# Allegro board RK_NVR_DEMO_RK3568_DDR4P216SD4_V12_20201221YWQ_final.brd (continued)
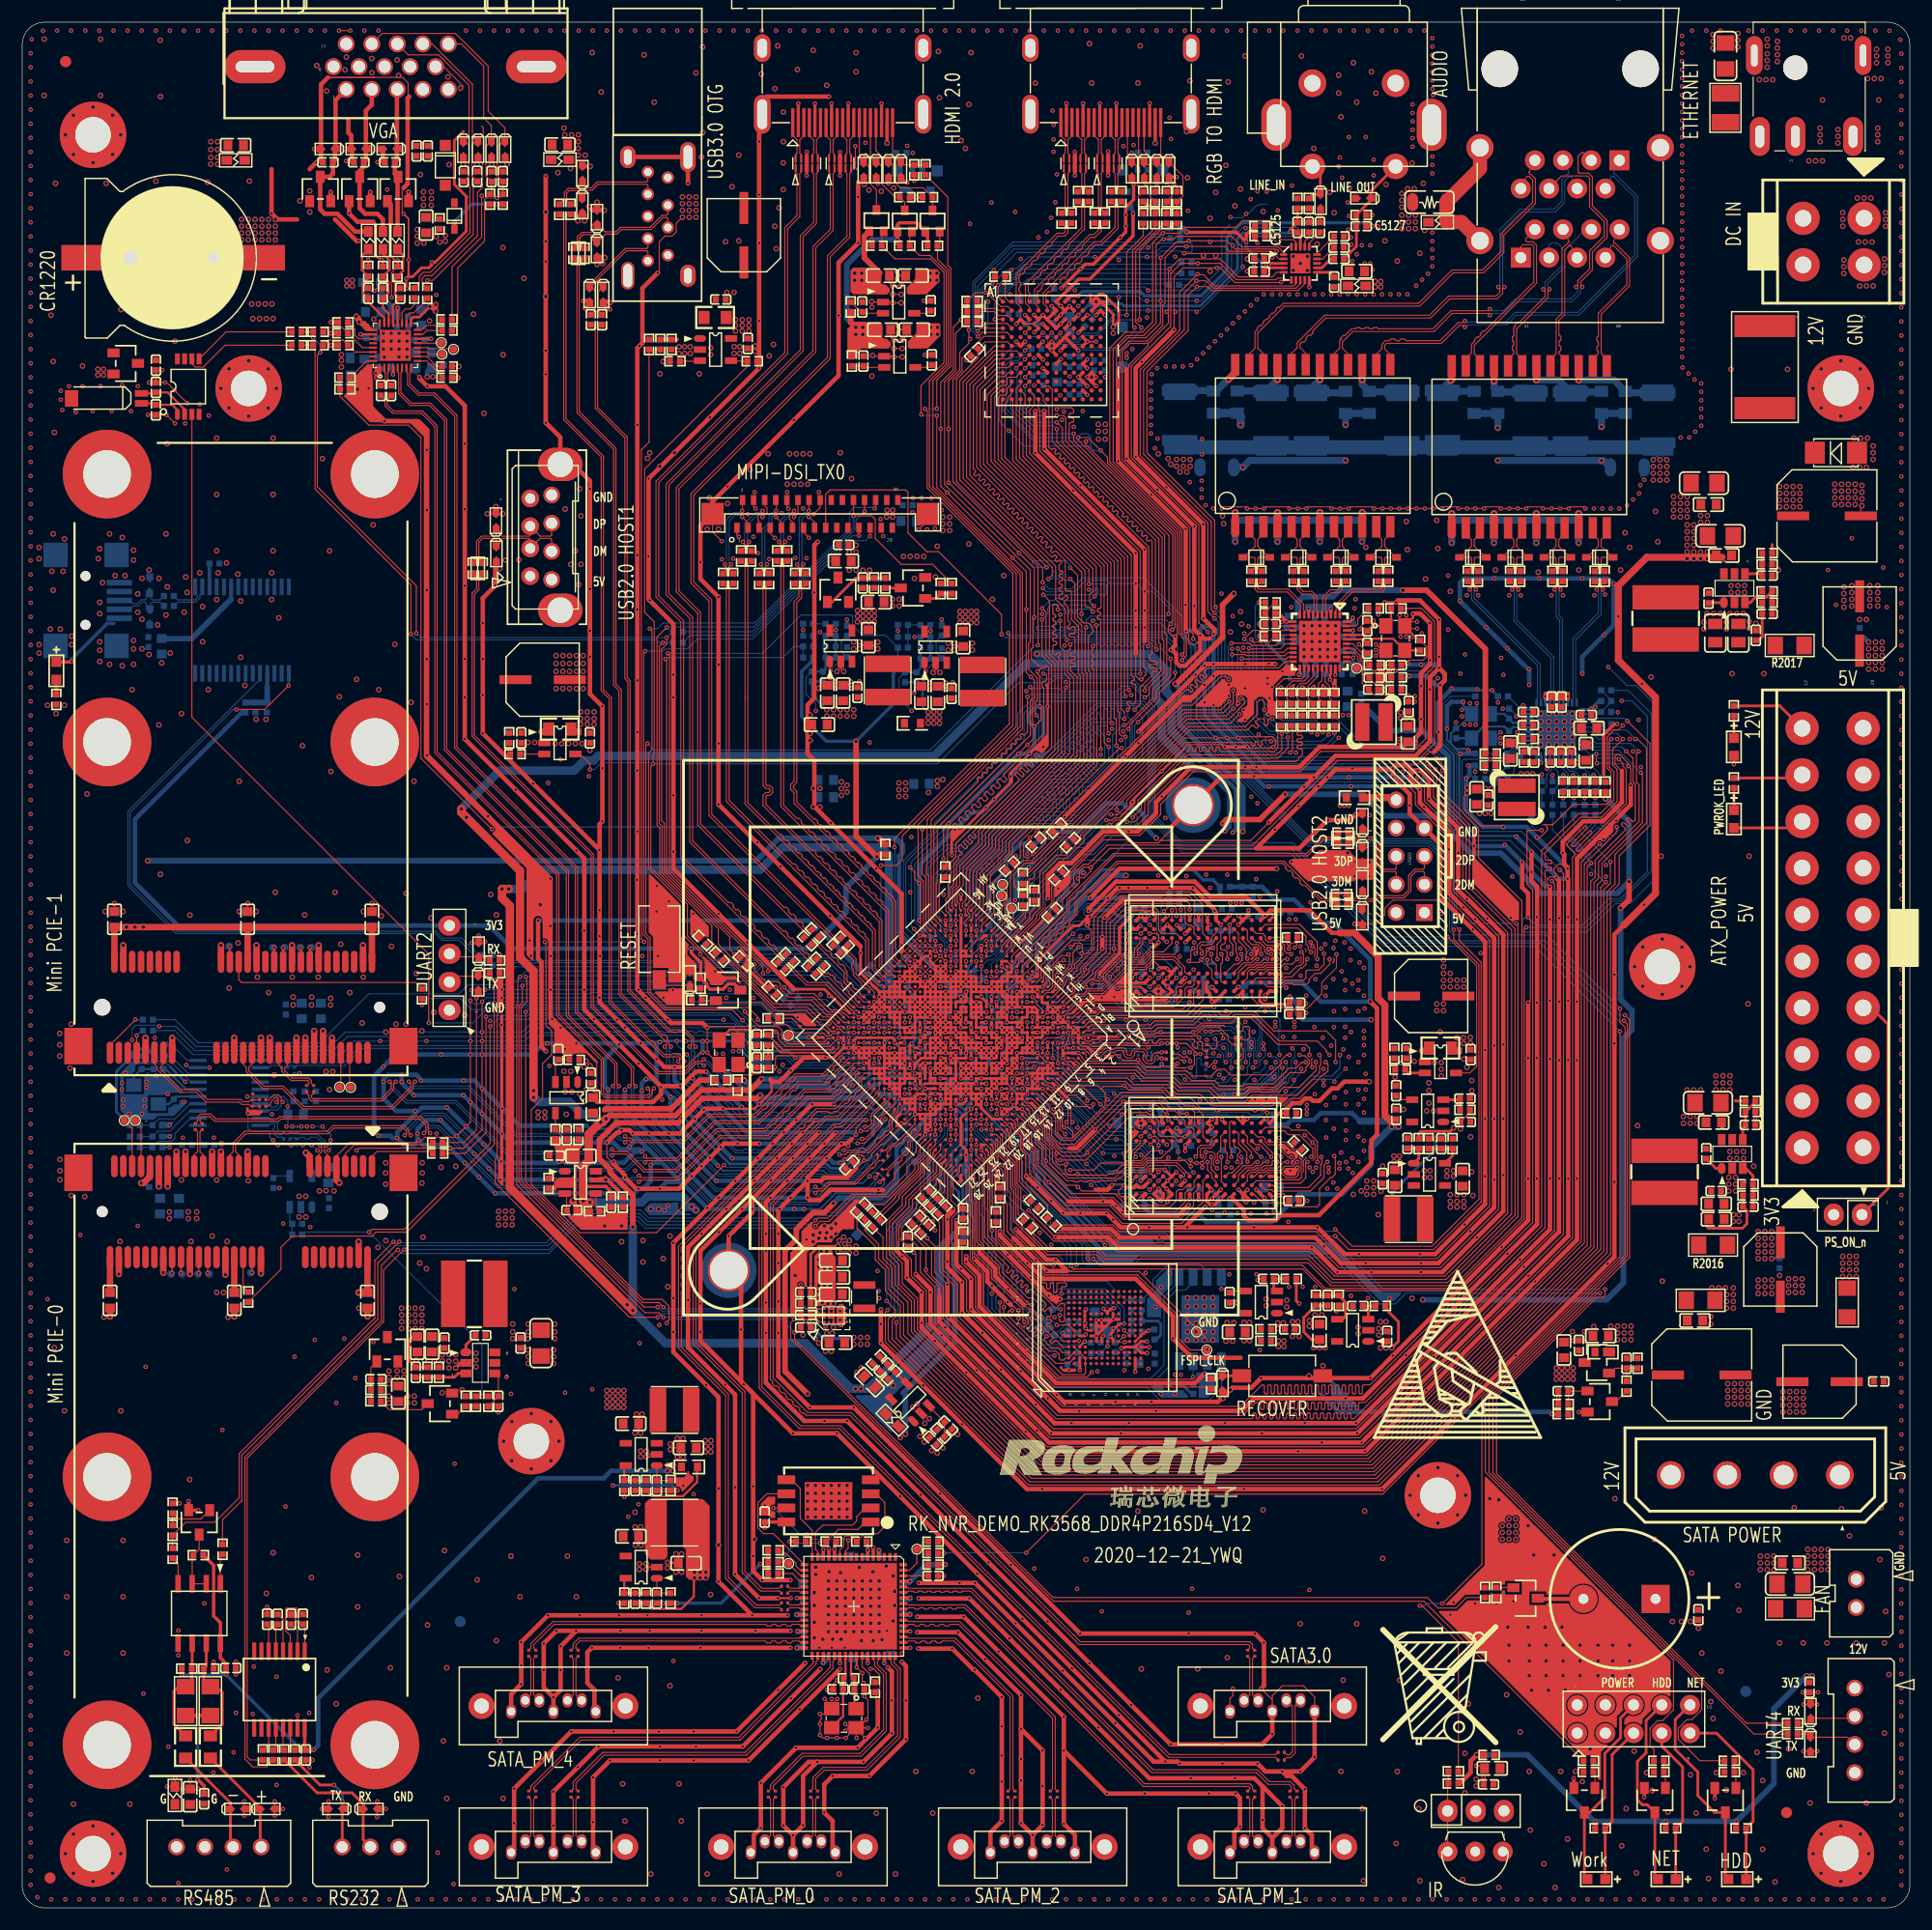
[diagram p0: board, top side]
## Routing (per net, layer and track width the routed paths; a pad name or vN(x,y) marks a point on that pad's centre or on a via; arc(x,y) is an arc through that point) (continued)
HDMI_TX0N_PORT: length 84.4
  TOP w0.097: R1707.2 70.62,88.2 70.35,88.48 70.35,88.71 70.14,88.91 69.91,88.91 69.71,89.12 69.71,89.35 69.5,89.55 69.27,89.55 69.07,89.76 69.07,89.99 68.86,90.19 68.63,90.19 61.11,97.71 61.11,116.79 59.18,118.72 59.18,127.92 71.5,140.24 71.5,149.64 73.06,151.21 73.06,156.33 73.19,156.45 U5001.2 U5001.9 73.19,158.05 73.06,158.17 73.06,159.37 73.43,159.73 J5000.9
HDMI_TX0P: length 7.9
  TOP w0.097: U1000.AG20 75.83,81.65 74.07,83.41 74.07,84.33 71.54,86.85 R1709.1
HDMI_TX0P_PORT: length 84.2
  TOP w0.097: R1709.2 70.45,88.03 60.86,97.61 60.86,116.68 58.93,118.62 58.93,128.02 71.25,140.34 71.25,149.75 72.81,151.31 72.81,156.33 72.69,156.45 U5001.1 U5001.10 72.69,158.05 72.81,158.17 72.81,159.36 72.43,159.75 J5000.7
HDMI_TX1N: length 5.3
  TOP w0.097: U1000.AH21 75.26,81.65 75.11,81.81 75.11,82.02 74.9,82.22 74.69,82.22 74.48,82.43 74.48,82.64 74.28,82.85 74.07,82.85 73.86,83.05 73.86,83.26 73.66,83.47 73.44,83.47 73.24,83.67 73.24,83.89 73.03,84.09 72.82,84.09 72.69,84.23 72.39,84.23 72.2,84.42 R1706.1
HDMI_TX1N_PORT: length 87.5
  TOP w0.097: J5000.6 71.93,159.73 71.56,159.37 71.56,158.39 71.56,158.39 71.56,158.17 71.69,158.05 U5000.6 U5000.5 71.69,156.45 71.56,156.33 71.56,151.83 70.36,150.62 70.36,140.33 58.27,128.24 58.27,118.47 60.4,116.33 60.4,96.19 68.55,88.04 68.78,88.04 68.98,87.84 68.98,87.61 69.19,87.4 69.42,87.4 69.62,87.2 69.62,86.97 69.83,86.76 70.06,86.76 70.26,86.56 70.26,86.33 70.47,86.12 70.7,86.12 70.9,85.92 70.9,85.69 71.03,85.56 R1706.2
HDMI_TX1P: length 5.6
  TOP w0.097: U1000.AG21 75.37,81.19 72.58,83.98 72.29,83.98 72.05,84.21 R1705.1
HDMI_TX1P_PORT: length 87.2
  TOP w0.097: J5000.4 70.93,159.75 71.31,159.36 71.31,158.5 71.31,158.17 71.19,158.05 U5000.7 U5000.4 71.19,156.45 71.31,156.33 71.31,151.93 70.11,150.73 70.11,140.43 58.02,128.34 58.02,118.36 60.15,116.23 60.15,96.08 70.85,85.38 R1705.2
HDMI_TX2N: length 7.5
  TOP w0.097: U1000.AH22 74.8,81.19 72.58,83.41 70.76,83.41 69.46,84.72 R1704.1
HDMI_TX2N_PORT: length 86.5
  TOP w0.097: J5000.3 70.43,159.73 70.06,159.37 70.06,158.17 70.19,158.05 U5000.9 U5000.2 70.19,156.45 70.06,156.33 70.06,152.45 68.96,151.35 68.96,140.09 57.35,128.48 57.35,118.26 59.59,116.03 59.59,94.66 63.64,90.61 63.87,90.61 64.07,90.41 64.07,90.18 64.28,89.97 64.51,89.97 64.71,89.77 64.71,89.54 64.92,89.33 65.15,89.33 65.35,89.13 65.35,88.9 65.56,88.69 65.79,88.69 65.99,88.49 65.99,88.26 66.2,88.05 66.43,88.05 66.63,87.85 66.63,87.62 66.84,87.41 67.07,87.41 67.27,87.21 67.27,86.98 67.48,86.77 67.71,86.77 67.91,86.57 67.91,86.34 68.29,85.97 R1704.2
HDMI_TX2P: length 8.3
  TOP w0.097: R1708.1 69.21,84.62 70.66,83.16 72.48,83.16 74.77,80.87 75.25,80.87 U1000.AG22
HDMI_TX2P_PORT: length 85.7
  TOP w0.097: J5000.1 69.43,159.75 69.81,159.36 69.81,158.17 69.69,158.05 U5000.10 U5000.1 69.69,156.45 69.81,156.33 69.81,152.55 68.71,151.45 68.71,140.2 57.1,128.59 57.1,118.16 59.34,115.92 59.34,94.56 68.11,85.79 R1708.2
HDMI_TX_CEC_PORT: length 8.6
  TOP w0.102: J5000.13 75.43,157.66 ED5003.1 75.96,157.28 76.34,156.9 76.34,155.5 76.97,154.86 Q5002.3
HDMI_TX_HPD_PORT: length 6.2
  TOP w0.102: R5005.2 R5008.1 79.32,157.12 ED5000.1 78.43,158.01 J5000.19
HDMI_TX_HPDIN: length 89.9
  TOP w0.102: v1(77.39,93.96) 78.78,93.96 79.3,94.49 79.3,96.62 89.26,106.58 89.26,120.29 81.53,128.02 81.53,134.92 v1(81.33,135.13) ; R5005.1 83.4,154.21 83.4,148.07 83.67,147.8 83.67,138.99 82.41,137.73 v1(82.41,135.13) ; U1000.AB18 v1(79.53,79.81)
  BOTTOM w0.089: 77.39,84.73 77.39,84.6 C1716.1 77.48,83.93 77.48,83.29 78.74,82.03 78.74,80.07 78.99,79.81 v1(79.53,79.81)
  BOTTOM w0.102: v1(77.39,93.96) 77.39,93.96 77.39,84.73 ; v1(82.41,135.13) v1(81.33,135.13)
HDMI_TX_REXT: length 1.4
  TOP w0.089: U1000.AA18 v1(79.99,80.27)
  BOTTOM w0.102: v1(79.99,80.27) 79.2,80.27 R1713.1
HDMI_TXCLKN: length 5.7
  TOP w0.097: R1711.1 74.38,86.3 75.13,85.55 75.13,84.17 76.77,82.54 U1000.AG19
HDMI_TXCLKN_PORT: length 85.3
  TOP w0.097: J5000.12 74.93,159.73 74.56,159.37 74.56,158.17 74.69,158.05 U5001.6 U5001.5 74.69,156.45 74.56,156.33 74.56,150.59 72.8,148.82 72.8,139.66 60.5,127.36 60.5,119.53 62.13,117.9 62.13,98.58 73.26,87.44 R1711.2
HDMI_TXCLKP: length 5.2
  TOP w0.097: R1710.1 74.08,86.14 74.19,86.14 74.88,85.44 74.88,85.22 74.73,85.06 74.73,84.78 74.88,84.62 74.88,84.07 75.61,83.34 75.61,83.14 75.81,82.94 76.02,82.94 76.31,82.64 U1000.AH19
HDMI_TXCLKP_PORT: length 85.5
  TOP w0.097: J5000.10 73.93,159.75 74.31,159.36 74.31,158.17 74.19,158.05 U5001.7 U5001.4 74.19,156.45 74.31,156.33 74.31,150.69 72.55,148.93 72.55,139.76 60.25,127.46 60.25,119.43 61.88,117.8 61.88,98.47 73.09,87.26 R1710.2
HDMI_TXDDC_SCL_PORT: length 9.6
  TOP w0.102: J5000.15 76.43,157.78 ED5002.1 77.18,157.28 77.48,156.97 77.48,155.37 78.65,154.2 R5001.2 79.52,153.75 Q5000.3
HDMI_TXDDC_SDA_PORT: length 11.4
  TOP w0.102: Q5001.3 R5003.2 81.18,155.04 79.13,155.04 78.62,155.55 78.62,156.95 78.29,157.28 ED5001.1 76.93,158.39 J5000.16
HDMITX_CEC_M0: length 75.8
  TOP w0.102: U1000.AH6 81.89,88.94 81.89,98.05 90.12,106.28 90.12,120.31 82.41,128.02 v1(82.41,134.52) ; Q5002.2 77.45,150.97 R5006.2 78.64,148.64 81.84,148.64 83.06,147.42 83.06,139.29 80.98,137.21 80.98,134.67 v1(81.03,134.62)
  BOTTOM w0.102: v1(82.41,134.52) 81.13,134.52 v1(81.03,134.62)
HDMITX_SCL: length 73.9
  TOP w0.102: Q5000.2 79.97,150.9 R5000.2 80.85,148.95 81.82,148.95 83.26,147.51 83.26,139.16 81.74,137.63 81.74,128.12 89.56,120.29 89.56,106.48 80.72,97.64 80.72,93.02 81.2,92.54 81.2,88.25 81.82,87.63 U1000.AG8
HDMITX_SDA: length 71.6
  TOP w0.102: U1000.AG7 82.28,88.09 81.65,88.72 81.65,93.05 81.53,93.17 81.53,98.1 89.92,106.48 89.92,120.22 82.05,128.09 82.05,137.66 83.46,139.07 83.46,147.62 82.47,148.62 R5002.2 82.67,150.03 Q5001.2
HPD_OUT_RTD: length 2.7
  TOP w0.102: U5900.32 31.04,139.44 R5906.2
I2C0_SCL_PMIC: length 81.8
  TOP w0.102: U1000.AF24 v1(74.47,79.35) ; v1(71.68,53.59) U2104.A3 ; v1(45.06,83.11) 45.06,81.58 44.75,81.28 44.75,65.43 56.03,54.15 v1(57.25,54.15)
  BOTTOM w0.102: v1(45.06,83.11) 45.21,83.26 66.42,83.26 68.33,81.35 R1207.2 72.48,81.35 v1(74.47,79.35) ; v1(71.68,53.59) 71.68,53.64 71.53,53.79 57.61,53.79 v1(57.25,54.15)
I2C0_SDA_PMIC: length 89
  TOP w0.102: U2104.B1 72.7,52.69 v1(72.38,52.38) ; U1000.AB21 v1(77.69,78.89) ; v1(45.36,83.92) 45.47,83.82 45.47,81.69 44.96,81.18 44.96,65.53 55.93,54.56 57.35,54.56 v1(57.76,54.15)
  BOTTOM w0.089: 73.47,80.81 74.79,79.49 75.06,79.49 75.25,79.68 75.53,79.68 76.17,79.03 76.44,79.03 77.09,79.68 77.36,79.68 77.57,79.47 77.57,79.01 v1(77.69,78.89)
  BOTTOM w0.102: v1(57.76,54.15) 57.92,54 71.83,54 72.14,53.7 72.14,52.63 v1(72.38,52.38) ; v1(45.36,83.92) 45.92,83.92 46.02,84.02 66.19,84.02 66.5,83.72 68.83,83.72 69.9,82.65 R1208.2 70.03,81.89 72.39,81.89 73.47,80.81
I2C1_SCL: length 98.8
  TOP w0.102: v1(35.01,114.82) 35.01,119.27 26.39,127.89 26.39,140.68 R5904.1 R2205.2 ; v1(57.71,114.04) 57.41,113.74 57.41,97.74 57.66,97.49 57.66,93.33 62.73,88.26 62.73,86.86 67.27,82.31 R1209.2 68.43,81.79 71.17,81.79 72.46,80.5 73.32,80.5 74.01,79.81 74.12,79.81 74.12,79.81 U1000.AG24
  BOTTOM w0.102: v1(35.01,114.82) 35.54,114.3 57.15,114.3 57.41,114.04 v1(57.71,114.04) R5219.1
I2C1_SDA: length 106.6
  TOP w0.102: v1(26.85,140.21) 26.59,139.95 26.59,128.09 35.51,119.18 v1(35.51,114.9) ; U1000.AB20 v1(78.15,79.35) ; v1(26.22,141.53) R5903.1 R2206.2 ; v1(58.06,114.5) 58.06,113.9 57.61,113.44 57.61,97.99 57.86,97.74 57.86,93.41 63.75,87.52 63.75,86.39 v1(64.19,85.95) 64.36,85.95 R1210.2
  BOTTOM w0.089: v1(78.15,79.35) 78.23,79.44 78.23,81.84 77.06,83.01 76.25,83.01 75.96,83.3
  BOTTOM w0.102: v1(26.85,140.21) 26.85,140.9 v1(26.22,141.53) ; 75.96,83.3 73.3,85.95 v1(64.19,85.95) ; v1(35.51,114.9) 35.91,114.5 v1(58.06,114.5) 58.09,114.5 R5220.2
I2C3_SCL_M0: length 199.7
  TOP w0.089: U1000.E18 v1(87.34,72)
  TOP w0.102: U5100.D1 86.35,142.39 86.11,142.14 v1(86.08,142.14) ; U7000.1 113.66,149.22 113.15,149.73 109.91,149.73 108.97,150.67 103.99,150.67 103.73,150.42 v1(102.87,150.42) 102.69,150.42 102.16,149.89 102.16,142.85 101.04,141.73 99.52,141.73 98.3,140.51 98.3,130.33 104.48,124.15 104.48,114.95 104.9,114.52 104.9,112.88 v1(104.5,112.47) ; v1(128.98,88.19) 128.98,87.28 131.25,85 131.25,63.87 127.03,59.64 119.84,59.64 v1(118.31,61.16)
  BOTTOM w0.089: 89.19,70.61 87.8,72 v1(87.34,72)
  BOTTOM w0.102: R1906.2 103.39,150.44 102.9,150.44 v1(102.87,150.42) 102.87,150.42 102.66,150.62 101.72,150.62 100.94,149.83 89.24,149.83 85.86,146.45 85.86,142.37 v1(86.08,142.14) ; v1(104.5,112.47) 104.7,112.27 104.7,110.64 104.9,110.44 104.9,107.02 115.96,95.96 126.81,95.96 128.83,93.94 128.83,88.33 v1(128.98,88.19) ; 89.19,70.61 89.56,70.61 91.64,68.53 91.64,67.46 98.11,60.99 118.14,60.99 v1(118.31,61.16)
I2C3_SDA_M0: length 204.5
  TOP w0.089: U1000.D18 v1(87.8,71.54)
  TOP w0.102: U7000.19 114.76,150.16 114.55,150.37 113.44,150.37 112.62,151.18 112.62,151.87 112.39,152.1 109.98,152.1 109.37,151.49 104.8,151.49 104.27,150.95 v1(102.78,150.95) 102.72,150.95 101.85,150.09 101.85,142.95 100.94,142.04 99.42,142.04 97.99,140.61 97.99,130.35 104.27,124.07 104.27,114.86 104.7,114.44 104.7,113.18 v1(104.5,112.98) ; v1(129.49,88.19) 129.49,87.2 131.46,85.23 131.46,63.64 127.15,59.33 119.53,59.33 v1(118.31,60.55) ; U5100.E2 88.74,142.01 86.49,142.01 86.12,141.65 v1(86.12,141.64)
  BOTTOM w0.102: v1(104.5,112.98) 105,112.47 105,110.74 105.11,110.64 105.11,107.1 116.04,96.16 126.89,96.16 129.04,94.02 129.04,88.64 v1(129.49,88.19) ; v1(86.12,141.64) 86.08,141.64 85.65,142.07 85.65,146.54 89.28,150.16 100.76,150.16 101.47,150.88 102.64,150.88 102.72,150.95 v1(102.78,150.95) 103.23,151.41 R1905.2 ; v1(118.31,60.55) 103.28,60.55 103.05,60.78 98.03,60.78 91.44,67.37 91.44,68.39 89.46,70.37 88.97,70.37 v1(87.8,71.54)
I2C_SCL_RTCIC: length 10.4
  TOP w0.102: R2205.1 18.28,140.86 16.31,138.89 15.6,138.89 15.29,139.2 U2200.6
I2C_SCL_TP0: length 20.6
  TOP w0.102: J5200.23 v1(75.4,123.69)
  BOTTOM w0.102: R5219.2 60.19,114.71 65.79,114.71 74.77,123.69 v1(75.4,123.69)
I2C_SDA_RTCIC: length 9.3
  TOP w0.102: U2200.5 18.37,142.06 R2206.1
I2C_SDA_TP0: length 22.3
  TOP w0.102: J5200.24 v1(75.9,125.88)
  BOTTOM w0.102: R5220.1 65.81,115.03 75.13,124.36 75.13,125.12 v1(75.9,125.88)
I2S1_LRCK_TX_M0: length 188.8
  TOP w0.102: R5112.2 R5114.2 85.88,145.59 v1(86.82,145.59) ; R1904.2 90.89,61.05 92.53,59.41 97.01,59.41 97.64,58.78 115.97,58.78 118.11,56.64 128.3,56.64 134.2,62.55 134.2,88.15 130.1,92.25 130.1,97.54 127.46,100.18 127.46,102.01 126.85,102.62 v1(126.85,103.02) ; U7000.8 115.16,146.41 114.76,146 107.34,146 106.68,146.66 v1(105.82,146.66) 104.7,145.55 104.7,142.24 101.04,138.58 101.04,131.04 107.14,124.94 107.14,117.04 v1(107.44,116.74)
  BOTTOM w0.102: v1(86.82,145.59) 87.06,145.35 88.1,145.35 89.26,146.51 90.27,146.51 90.58,146.81 105.67,146.81 v1(105.82,146.66) ; v1(107.44,116.74) 108.05,116.13 108.05,107.8 112.42,103.43 126.03,103.43 126.44,103.02 v1(126.85,103.02)
I2S1_MCLK_M0: length 190.9
  TOP w0.102: R1901.2 91.5,62.48 93.13,60.84 97.96,60.84 98.86,59.94 116.42,59.94 118.65,57.71 127.78,57.71 133.03,62.96 133.03,87.58 128.98,91.63 128.98,97.14 126.34,99.78 126.34,100.99 125.73,101.6 v1(125.73,101.9) ; v1(105.51,114.4) 105.51,114.83 105.21,115.14 105.21,124.43 99.11,130.53 99.11,138.68 98.91,138.89 98.91,140.39 99.74,141.22 101.36,141.22 102.77,142.63 102.77,144.48 102.97,144.68 102.97,148.74 103.99,149.76 v1(104.9,149.76) 108.36,149.76 108.79,149.33 112.56,149.33 113.25,148.63 U7000.2
  BOTTOM w0.102: R5107.2 86.26,144.57 86.26,145.86 89.62,149.22 102.16,149.22 102.69,149.76 v1(104.9,149.76) ; v1(125.73,101.9) 125.32,101.5 112.01,101.5 106.12,107.39 106.12,113.79 v1(105.51,114.4)
I2S1_SCLK_TX_M0: length 161.2
  TOP w0.102: v1(106.83,115.01) 106.02,115.82 106.02,124.62 99.92,130.72 99.92,138.99 103.48,142.54 103.48,147.32 104.39,148.23 v1(105.92,148.23) 107.95,148.23 109.42,146.76 112.98,146.76 113.13,146.91 113.74,146.91 113.92,146.73 U7000.6 ; v1(124.41,102.41) 124.41,101.6 125.53,100.48 125.53,99.45 128.17,96.81 128.17,91.29 132.22,87.24 132.22,63.27 127.47,58.52 119.02,58.52 116.59,60.95 98.86,60.95 98.26,61.56 R1902.2
  BOTTOM w0.102: v1(124.41,102.41) 124.31,102.31 112.22,102.31 106.93,107.59 106.93,114.91 v1(106.83,115.01) ; v1(105.92,148.23) 105.84,148.31 R5115.2
I2S1_SDI0_M0: length 178.4
  TOP w0.102: U7000.7 114.76,146.41 114.55,146.2 107.44,146.2 106.43,147.21 105.98,147.21 v1(105.91,147.27) 104.29,145.65 104.29,142.19 100.74,138.63 100.74,130.91 106.83,124.82 106.83,116.84 v1(107.44,116.23) ; v1(127.36,102.62) 127.76,102.21 127.76,100.28 130.4,97.64 130.4,92.35 134.5,88.25 134.5,62.45 128.42,56.36 117.98,56.36 115.87,58.47 97.57,58.47 96.88,59.16 92.38,59.16 89.53,62 89.53,64.78 89.25,65.07 89.25,67.13 88.11,68.27 88.11,69.39 87.8,69.7 U1000.B21
  BOTTOM w0.102: R5117.2 105.42,147.27 v1(105.91,147.27) ; v1(127.36,102.62) 126.44,102.62 125.93,103.12 112.42,103.12 107.75,107.8 107.75,115.93 v1(107.44,116.23)
I2S1_SDO0_M0: length 176.2
  TOP w0.102: v1(107.54,117.25) 107.44,117.35 107.44,125.07 101.35,131.17 101.35,138.48 105.05,142.19 105.05,145.35 v1(105.85,146.15) 106.78,146.15 107.14,145.8 114.96,145.8 115.56,146.4 U7000.9 ; v1(126.58,103.47) 126.58,103.36 126.44,103.23 126.44,102.62 127.15,101.9 127.15,100.12 129.79,97.48 129.79,91.97 133.84,87.92 133.84,62.63 128.17,56.95 118.27,56.95 116.04,59.17 98.63,59.17 97.7,60.1 92.96,60.1 89.98,63.08 89.98,64.91 89.65,65.24 89.65,67.4 88.63,68.41 88.63,69.79 88.26,70.16 U1000.B20
  BOTTOM w0.102: v1(105.85,146.15) 105.57,146.15 105.41,146.3 R5111.2 ; v1(107.54,117.25) 107.54,117.14 108.36,116.33 108.36,107.9 112.52,103.73 126.32,103.73 v1(126.58,103.47)
I2S3_MCLK_M1: length 65
  TOP w0.102: R5105.2 84.09,141.92 84.09,138.55 83.11,137.57 83.11,128.31 90.83,120.6 90.83,114.12 90.68,113.97 90.68,111.66 91.47,110.87 91.47,108.89 91.29,108.71 91.29,107.59 v1(91.39,107.49)
  BOTTOM w0.089: R1502.2 81.01,88.36
  BOTTOM w0.102: 81.01,88.36 80.96,88.36 80.42,88.9 80.42,94.08 89.87,103.53 90.78,103.53 91.59,104.34 91.59,107.29 v1(91.39,107.49)
LAN0_A+: length 15.8
  TOP w0.097: J6700.A1 135.03,149.72 135.23,149.93 136.04,149.93 136.19,149.77 136.19,146.55 131.79,142.15 131.63,142.15 131.43,141.94 131.43,141.79 131.22,141.58 131.07,141.58 130.86,141.38 130.86,141.22 130.58,140.94 130.58,140.16 130.07,139.65 U6701.23
LAN0_A-: length 15.9
  TOP w0.097: J6700.A2 135.48,150.48 135.48,150.27 135.58,150.18 136.14,150.18 136.44,149.87 136.44,146.45 130.83,140.84 130.83,140.11 131.34,139.6 U6701.22
LAN0_B+: length 15.6
  TOP w0.097: v1(137.06,145.91) 137.21,145.76 137.21,145.24 134.85,142.89 134.71,142.89 134.5,142.68 134.5,142.54 134.39,142.43 134.39,141.71 134.26,141.58 134.26,141.29 134.39,141.16 134.39,140.87 134.26,140.75 134.26,140.46 134.39,140.33 134.39,140.11 133.88,139.6 U6701.20
  BOTTOM w0.097: v1(137.06,145.91) 137.21,146.06 137.21,146.52 138.73,148.04 138.73,149.67 138.33,150.07 137.76,150.07 137.57,149.88 J6700.A3
LAN0_B-: length 15.7
  TOP w0.097: v1(137.61,145.91) 137.46,145.76 137.46,145.14 134.64,142.32 134.64,140.11 135.15,139.6 U6701.19
  BOTTOM w0.097: J6700.A6 140.87,151.29 138.98,149.41 138.98,147.94 137.46,146.41 137.46,146.06 v1(137.61,145.91)
LAN0_C+: length 13.1
  TOP w0.097: U6701.17 137.7,139.6 138.21,140.11 138.21,143.2 138.73,143.72 138.73,149.56 139.21,150.03 139.33,150.09 139.37,150.22 J6700.A4
LAN0_C-: length 13.1
  TOP w0.097: J6700.A5 139.57,149.83 139.44,149.87 139.35,149.83 138.98,149.45 138.98,143.62 138.46,143.1 138.46,141.79 138.63,141.62 138.63,141.33 138.46,141.16 138.46,140.87 138.63,140.7 138.63,140.41 138.46,140.24 138.46,140.11 138.97,139.6 U6701.16
LAN0_D+: length 14.2
  TOP w0.097: J6700.A7 143.18,149.83 143.31,149.87 143.4,149.83 144.58,148.64 144.58,146.32 142.02,143.75 142.02,141.69 141.88,141.55 141.88,141.26 142.02,141.13 142.02,140.84 141.88,140.7 141.88,140.41 142.02,140.27 142.02,140.11 141.51,139.6 U6701.14
LAN0_D-: length 14.3
  TOP w0.097: U6701.13 142.78,139.6 142.27,140.11 142.27,143.65 144.83,146.21 144.83,148.75 143.55,150.03 143.42,150.09 143.38,150.22 J6700.A8
LAN0_MCT1: length 5.5
  TOP w0.635: U6701.24 128.8,137.77 v2(128.71,137.68)
  BOTTOM w0.635: R6749.1 128.11,136.7 D6705.1 ; v2(128.71,137.68) 127.97,136.93 D6701.1
LAN0_MCT2: length 5.4
  TOP w0.635: U6701.21 v2(132.61,137.62)
  BOTTOM w0.635: v2(132.61,137.62) 132.61,137.05 R6748.1 133.02,136.64 D6702.1
LAN0_MCT3: length 7.6
  TOP w0.635: U6701.18 v2(136.43,137.72)
  BOTTOM w0.635: v2(136.43,137.72) 138.44,137.72 D6703.1 142.24,136.64 R6747.1
LAN0_MCT4: length 8.9
  TOP w0.635: U6701.15 v2(140.24,137.72)
  BOTTOM w0.635: v2(140.24,137.72) 143.42,137.72 R6746.1 144.57,136.57 D6704.1
LAN1_A+: length 37.9
  TOP w0.097: U6801.13 123.27,140.03 122.76,140.53 122.76,140.85 122.93,141.02 127.86,141.02 129.49,142.65 129.85,142.65 v1(130,142.49)
  BOTTOM w0.097: J6700.B1 143.38,156.45 143.42,156.32 143.58,156.24 145.54,154.28 145.54,148.85 140.26,143.57 134.63,143.57 133.76,142.7 130.2,142.7 v1(130,142.49)
LAN1_A-: length 37.8
  TOP w0.097: v1(130,143.05) 129.85,142.9 129.39,142.9 127.76,141.27 124.68,141.27 124.52,141.43 124.24,141.43 124.08,141.27 123.79,141.27 123.63,141.43 123.34,141.43 123.18,141.27 122.83,141.27 122.51,140.95 122.51,140.55 122.01,140.04 U6801.14
  BOTTOM w0.097: v1(130,143.05) 130.09,142.95 133.65,142.95 134.52,143.82 140.16,143.82 145.29,148.96 145.29,154.18 143.43,156.04 143.31,156.1 143.18,156.06 J6700.B2
LAN1_B+: length 42.3
  TOP w0.097: U6801.16 119.47,140.07 118.95,140.58 118.95,141.15 119.89,142.09 127.21,142.09 128.83,143.72 132.08,143.72 v1(132.23,143.57)
  TOP w0.102: v1(140.56,146.11) 140.41,146.26 140.41,146.57 141.48,147.63 141.48,149.26 142.8,150.58 142.8,152.11 141.48,153.43 141.48,156.02 141.13,156.37 140.29,156.37 140.19,156.47 140.19,157.89 140.51,158.21 140.69,158.21 J6700.B3
  BOTTOM w0.097: v1(140.56,146.11) 140.41,145.96 140.41,145.57 139.62,144.78 134.62,144.78 133.55,143.72 132.38,143.72 v1(132.23,143.57)
LAN1_B-: length 42.2
  TOP w0.097: U6801.17 118.2,140.09 118.71,140.6 118.71,141.26 118.81,141.37 118.81,141.52 119.02,141.73 119.17,141.73 119.79,142.34 120.12,142.34 120.22,142.44 120.51,142.44 120.61,142.34 120.9,142.34 121.01,142.44 121.29,142.44 121.4,142.34 121.69,142.34 121.79,142.44 122.08,142.44 122.18,142.34 127.11,142.34 128.73,143.97 132.08,143.97 v1(132.23,144.12)
  TOP w0.102: J6700.B6 138.7,156.12 141.02,156.12 141.22,155.91 141.22,153.32 142.54,152 142.54,150.69 141.22,149.37 141.22,147.74 140.16,146.67 140.16,146.26 v1(140.01,146.11)
  BOTTOM w0.097: v1(132.23,144.12) 132.38,143.97 133.45,143.97 134.51,145.03 139.52,145.03 140.16,145.67 140.16,145.96 v1(140.01,146.11)
LAN1_C+: length 38.8
  TOP w0.097: U6801.19 115.65,140.13 115.13,140.64 115.13,140.99 115.28,141.14 115.48,141.14 115.69,141.34 115.69,141.54 115.89,141.75 116.1,141.75 116.3,141.95 116.3,142.16 117.45,143.31 126.9,143.31 128.63,145.04 132.9,145.04 133.4,145.54 133.4,145.95 v1(133.55,146.1)
  BOTTOM w0.097: v1(133.55,146.1) 133.4,146.25 133.4,151.19 135.08,152.87 138.13,152.87 138.98,153.73 138.98,155.68 139.35,156.06 139.44,156.1 139.57,156.06 J6700.B4
LAN1_C-: length 38.9
  TOP w0.097: v1(133,146.1) 133.15,145.95 133.15,145.64 132.79,145.29 128.53,145.29 126.8,143.56 117.35,143.56 114.89,141.09 114.89,140.64 114.38,140.13 U6801.20
  BOTTOM w0.097: v1(133,146.1) 133.15,146.25 133.15,151.29 134.98,153.12 138.02,153.12 138.73,153.83 138.73,155.79 139.21,156.26 139.33,156.32 139.37,156.45 J6700.B5
LAN1_D+: length 38.1
  TOP w0.097: U6801.22 111.84,140.08 111.32,140.59 111.32,141.97 113.74,144.38 125.93,144.38 128.94,147.39 131.68,147.39 133.5,149.21 133.5,150.78 136.34,153.63 136.34,155.86 135.96,156.24 135.8,156.32 135.76,156.45 J6700.B7
LAN1_D-: length 38.2
  TOP w0.097: U6801.23 110.57,140.08 111.08,140.59 111.08,142.07 111.28,142.28 111.28,142.42 111.48,142.63 111.63,142.63 111.83,142.83 111.83,142.98 112.04,143.18 112.18,143.18 112.39,143.38 112.39,143.53 112.59,143.73 112.74,143.73 112.94,143.94 112.94,144.08 113.15,144.29 113.29,144.29 113.64,144.63 125.83,144.63 128.83,147.64 131.58,147.64 133.25,149.31 133.25,150.89 136.09,153.73 136.09,155.76 135.81,156.04 135.69,156.1 135.56,156.06 J6700.B8
LAN1_MCT1: length 6.4
  TOP w0.635: U6801.24 109.3,138.4 v2(108.67,137.78)
  BOTTOM w0.635: v2(108.67,137.78) 107.63,136.74 R6849.1 107.31,136.77 D6801.1
LAN1_MCT2: length 5.8
  TOP w0.635: U6801.21 v2(113.11,137.74)
  BOTTOM w0.635: v2(113.11,137.74) 112.52,137.16 D6802.1 112.45,136.74 R6848.1
LAN1_MCT3: length 5.9
  TOP w0.635: U6801.18 v2(116.93,137.74)
  BOTTOM w0.635: D6803.1 116.18,137 v2(116.93,137.74) ; D6807.1 119.1,136.56 R6847.1
LAN1_MCT4: length 5.6
  TOP w0.635: U6801.15 v2(120.74,137.74)
  BOTTOM w0.635: D6804.1 121.41,136.67 R6846.1 120.74,137.34 v2(120.74,137.74)
LCD0_BL_PWM14_M0: length 79.6
  TOP w0.102: v1(100.53,106.88) 102.46,108.81 102.46,109.52 103.88,110.94 v1(103.88,111.35) ; J5200.17 72.39,124.41 72.39,127.41 72.8,127.81 79.6,127.81 79.81,127.61 79.81,123.95 81.51,122.25 82.56,122.25 88.24,116.58 v1(88.24,114.81) ; U1000.AC3 v1(85.96,88.09)
  BOTTOM w0.089: 86.21,91.22 86.21,88.33 v1(85.96,88.09)
  BOTTOM w0.102: v1(103.88,111.35) 103.88,113.49 102.87,114.5 95.15,114.5 94.84,114.81 94.13,114.81 93.83,114.5 88.54,114.5 v1(88.24,114.81) ; 86.21,91.22 86.21,92.25 87.93,93.98 87.93,94.77 90.9,97.74 94.74,97.74 100.23,103.23 100.23,106.58 v1(100.53,106.88)
LCD0_PWREN_H_GPIO0_C7: length 80.7
  TOP w0.089: 72.96,80.3 73.06,80.3 U1000.AH25
  TOP w0.102: J5200.22 v1(74.9,125.48) 76.56,125.48 76.86,125.17 76.86,123.44 79.2,121.11 82.03,121.11 R5203.1 ; v1(58.06,115.42) 57.2,114.56 57.2,97.58 57.45,97.33 57.45,93.24 62.13,88.57 62.13,87.07 67.72,81.48 70.97,81.48 72.15,80.3 72.96,80.3
  BOTTOM w0.102: v1(58.06,115.42) 58.11,115.46 65.95,115.46 74.93,124.44 74.93,125.45 v1(74.9,125.48)
LCDC_CLK: length 66.3
  TOP w0.102: U5100.M5 91.56,135.16 91.69,135.03 91.69,131.33 100.74,122.28 v1(100.74,111.25) ; R1813.2 83.36,94.02 83.36,97.14 83.96,97.74 84.11,97.74 84.38,97.47 84.52,97.47 84.66,97.62 84.66,97.76 84.4,98.03 84.4,98.17 84.54,98.32 84.68,98.32 84.95,98.05 85.09,98.05 85.24,98.19 85.24,98.34 84.97,98.6 84.97,98.75 85.11,98.89 85.26,98.89 85.52,98.62 85.67,98.62 85.81,98.77 85.81,98.91 85.54,99.18 85.54,99.32 85.69,99.46 85.83,99.46 86.1,99.2 86.24,99.2 86.39,99.34 86.39,99.48 86.12,99.75 86.12,99.9 86.26,100.04 86.41,100.04 86.67,99.77 86.82,99.77 86.96,99.92 86.96,100.06 86.69,100.33 86.69,100.47 86.84,100.61 86.98,100.61 87.25,100.35 87.39,100.35 87.54,100.49 87.54,100.63 87.27,100.9 87.27,101.05 87.41,101.19 87.56,101.19 87.82,100.92 87.97,100.92 88.11,101.07 88.11,101.21 87.84,101.48 87.84,101.62 87.99,101.76 88.13,101.76 88.4,101.5 88.54,101.5 88.69,101.64 88.69,101.78 88.42,102.05 88.42,102.19 92.05,105.82 92.05,109.93 91.9,110.08 91.9,110.47 92,110.57 92.17,110.57 92.3,110.7 92.3,111.05 92.1,111.25 v1(92,111.25)
  BOTTOM w0.102: v1(100.74,111.25) v1(92,111.25)
LCDC_CLK_SOC: length 3.9
  TOP w0.102: R1813.1 83.16,92.78 82.62,92.24 82.62,90.05 U1000.AH4
LCDC_D0: length 68
  TOP w0.102: U1000.AG6 82.74,88.55 82.14,89.15 82.14,97.54 86.13,101.52 86.13,101.65 86.05,101.72 86.05,101.85 86.14,101.94 86.27,101.94 86.34,101.86 86.47,101.86 86.56,101.95 86.56,102.08 86.48,102.15 86.48,102.28 86.57,102.37 86.7,102.37 86.77,102.29 86.9,102.29 86.99,102.38 86.99,102.51 86.91,102.59 86.91,102.71 87,102.8 87.13,102.8 87.21,102.72 87.33,102.72 87.42,102.81 87.42,102.94 87.34,103.02 87.34,103.14 87.43,103.23 87.56,103.23 87.64,103.16 87.76,103.16 87.85,103.24 87.85,103.37 87.78,103.45 87.78,103.57 87.86,103.66 87.99,103.66 88.07,103.59 88.19,103.59 88.28,103.68 88.28,103.8 88.21,103.88 88.21,104 88.3,104.09 88.42,104.09 88.5,104.02 88.62,104.02 88.71,104.11 88.71,104.23 88.64,104.31 88.64,104.44 88.73,104.53 88.85,104.53 88.93,104.45 89.06,104.45 89.15,104.54 89.15,104.66 89.07,104.74 89.07,104.87 89.16,104.96 89.28,104.96 89.36,104.88 89.49,104.88 89.58,104.97 89.58,105.1 89.5,105.17 89.5,105.3 89.59,105.39 89.72,105.39 89.79,105.31 89.92,105.31 90.01,105.4 90.01,105.53 89.93,105.6 89.93,105.73 90.02,105.82 90.15,105.82 90.22,105.74 90.35,105.74 90.58,105.97 v1(90.58,109.17) ; U5100.M4 90.76,135.41 90.47,135.13 90.47,130.94 99.6,121.81 99.6,109.9 v1(99.72,109.78)
  BOTTOM w0.102: v1(99.72,109.78) 99.37,109.78 98.96,109.37 90.78,109.37 v1(90.58,109.17)
LCDC_D1: length 69.5
  TOP w0.102: v1(99.31,107.16) 99.31,107.8 99.01,108.1 99.01,121.57 89.87,130.71 89.87,135.44 89.96,135.53 U5100.M3 ; U1000.AD7 v1(83.66,86.71)
  BOTTOM w0.102: v1(99.31,107.16) 99.09,107.16 98.97,107.28 98.97,108.01 98.89,108.1 98.76,108.1 98.67,108.01 98.67,107.28 98.58,107.19 98.45,107.19 98.37,107.28 98.37,108.01 98.28,108.1 98.15,108.1 98.06,108.01 98.06,107.28 97.97,107.19 97.85,107.19 97.76,107.28 97.76,108.01 97.67,108.1 97.54,108.1 97.45,108.01 97.45,107.28 97.36,107.19 97.24,107.19 97.15,107.28 97.15,107.61 97.06,107.7 96.93,107.7 96.84,107.61 96.84,107.28 96.75,107.19 96.27,107.19 84.33,95.25 83.62,95.25 83.36,94.99 83.36,94.28 81.98,92.9 81.98,88.78 83.66,87.1 v1(83.66,86.71)
